# Altium PCB PCB_15122020_01CA.PcbDoc (part 1 of 5) (continued)
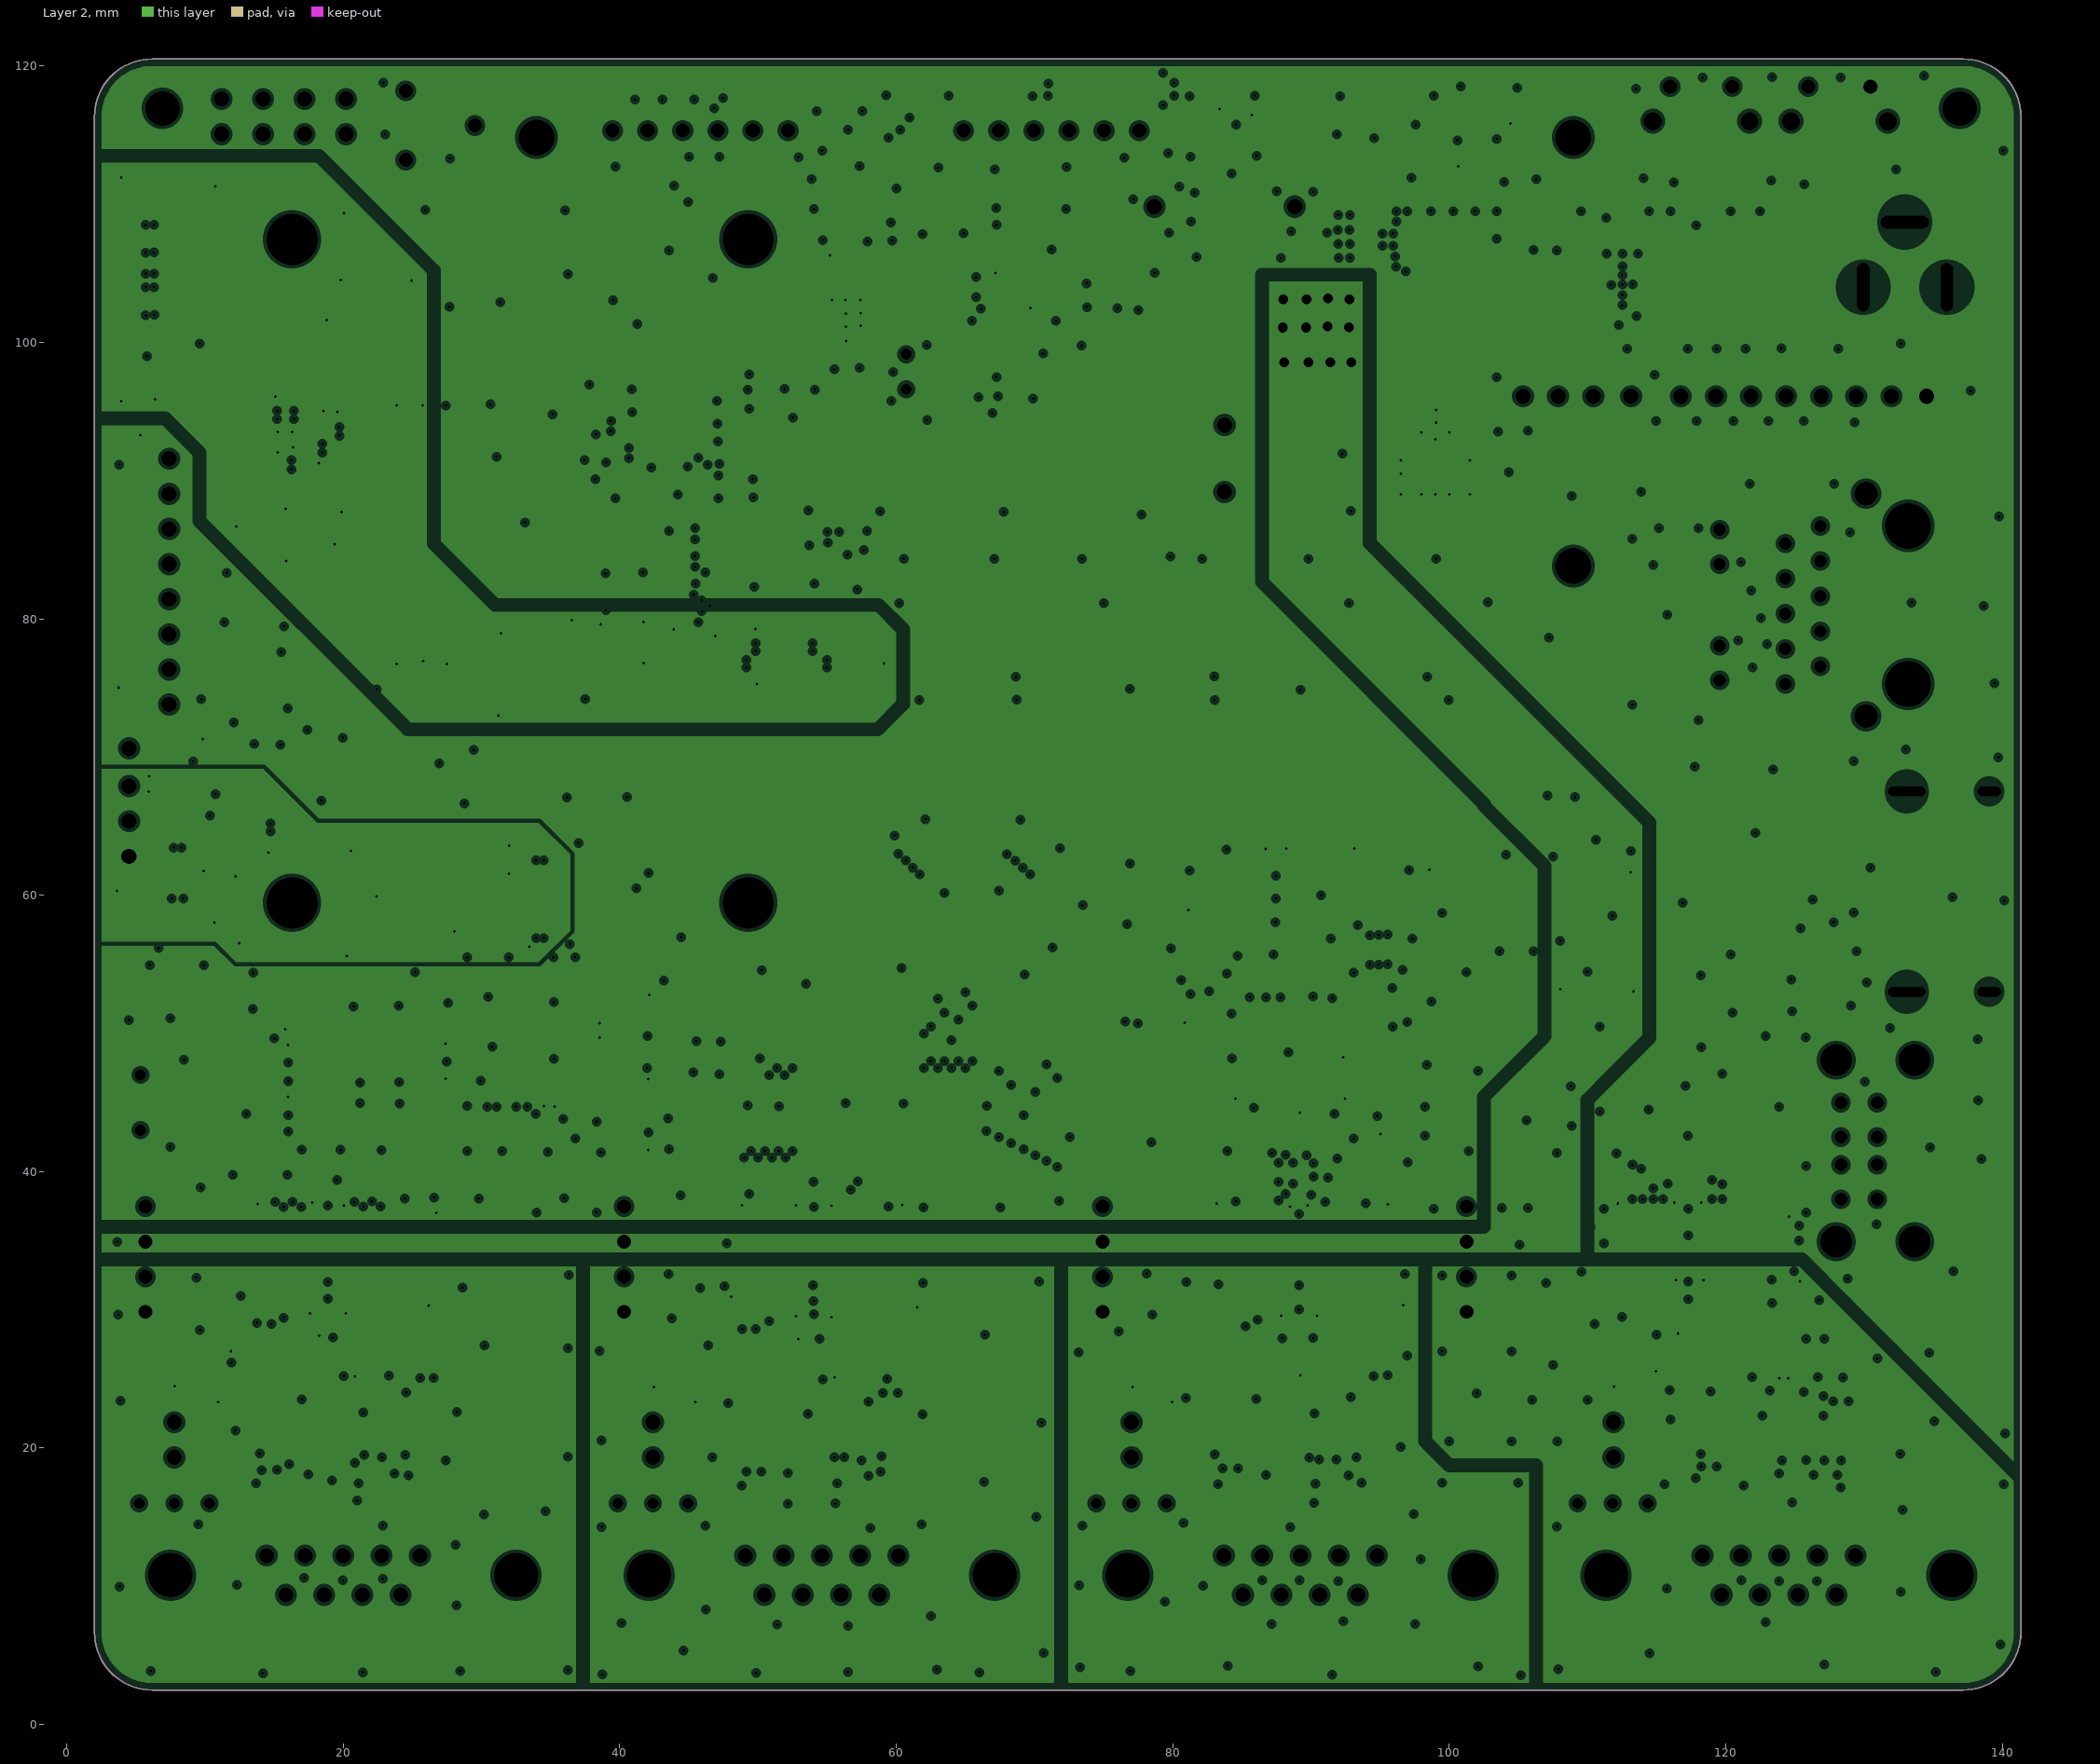
[diagram p3: Layer 2, clearances drawn from the general rule]

## Layer stack, top to bottom
Top Solder: solder mask 0.0203, Solder Resist, Dk 3.8
Top Layer: signal copper 0.035
Dielectric1: prepreg 0.2, PP-006, Dk 4.6
Layer 1: plane copper 0.0175, net (Multiple Nets)
Dielectric 1: core 1.065, Core-009, Dk 4.5
Layer 2: plane copper 0.0175, net (Multiple Nets)
Dielectric2: prepreg 0.2, PP-006, Dk 4.6
Bottom Layer: signal copper 0.035
Bottom Solder: solder mask 0.0203, Solder Resist, Dk 3.8

## Board outline
2,6.672 2,116.331 cw(c6.17,116.331) 6.17,120.501 6.17,120.5 71.135,120.5 137.184,120.5 137.184,120.502 cw(c137.184,116.33) 141.356,116.33 141.356,6.672 cw(c137.184,6.672) 137.184,2.5 71.135,2.5 6.172,2.5 cw(c6.172,6.672)

## Design rules (kind name [scope] priority, off if disabled: settings)
AcuteAngle [All] p1: minimum=4.40000000000000E+0001 checktracksonly=TRUE
BoardOutlineClearance [All] p1: gap=0.2 ignorepadtopadclearanceinfootprint=FALSE
Clearance [All] p1: gap=0.102 ignorepadtopadclearanceinfootprint=FALSE except(0.2: Arc-Poly Track-Poly SMDPad-Poly SMDPad-Hole THPad-Poly THPad-Hole Via-Poly Fill-Poly Poly-Hole; 1: Poly-Poly)
DiffPairsRouting 120R [InDifferentialPairClass('120R')] p1: maxlimit=0.203 minlimit=0.203 mostfreqgap=0.203 toplayer_minwidth=0.126 toplayer_maxwidth=0.126 toplayer_prefwidth=0.126 bottomlayer_minwidth=0.126 bottomlayer_maxwidth=0.126 bottomlayer_prefwidth=0.126 maxuncoupledlength=12.7
DiffPairsRouting 90R [InDifferentialPairClass('90R')] p2: maxlimit=0.127 minlimit=0.127 mostfreqgap=0.127 toplayer_minwidth=0.206 toplayer_maxwidth=0.206 toplayer_prefwidth=0.206 bottomlayer_minwidth=0.206 bottomlayer_maxwidth=0.206 bottomlayer_prefwidth=0.206 maxuncoupledlength=12.7
DiffPairsRouting 100R [InDifferentialPairClass('100R')] p3: maxlimit=0.178 minlimit=0.178 mostfreqgap=0.178 toplayer_minwidth=0.192 toplayer_maxwidth=0.192 toplayer_prefwidth=0.192 bottomlayer_minwidth=0.192 bottomlayer_maxwidth=0.192 bottomlayer_prefwidth=0.192 maxuncoupledlength=12.7
FabricationTestPointUsage TestPointUsage [All] p1: valid=0 allowmultiple=FALSE
FabricationTestpoint Testpoint [All] p1: side=3 testpointundercomponent=TRUE minsize=1.016 maxsize=2.54 preferedsize=1.524 minholesize=0 maxholesize=1.016 preferedholesize=0.813 testpointgrid=0.025 allowsidetop=TRUE allowsidebottom=TRUE usegrid=TRUE gridtolerance=0
HoleSize Pad [All] p1: absolutevalues=TRUE maxlimit=6.3 minlimit=0.2 maxpercent=80.000 minpercent=20.000
HoleSize Via [IsVia] p2: absolutevalues=TRUE maxlimit=6.3 minlimit=0.2 maxpercent=80.000 minpercent=20.000
HoleToHoleClearance [All] p1: gap=0.5 allowstackedmicrovias=TRUE
MatchedLengths DISP [InNetClass('DSI_1')] p1: tolerance=0.15 checknetsindiffpair=TRUE checkdiffpairvsdiffpair=FALSE checkxsignals=FALSE checkothers=FALSE
MatchedLengths CAM [InNetClass('CAM_1')] p2: tolerance=0.15 checknetsindiffpair=FALSE checkdiffpairvsdiffpair=TRUE checkxsignals=TRUE checkothers=TRUE
MatchedLengths USB [InNetClass('USB')] p3: tolerance=0.15 checknetsindiffpair=TRUE checkdiffpairvsdiffpair=FALSE checkxsignals=FALSE checkothers=FALSE
MatchedLengths HDMI_0 [InNetClass('HDMI_0')] p4: tolerance=0.15 checknetsindiffpair=TRUE checkdiffpairvsdiffpair=FALSE checkxsignals=FALSE checkothers=FALSE
MatchedLengths SD_Card [InNetClass('SD_CARD')] p5: tolerance=0.15 checknetsindiffpair=FALSE checkdiffpairvsdiffpair=TRUE checkxsignals=TRUE checkothers=TRUE
MatchedLengths Ethernet [InNetClass('ETHERNET')] p6: tolerance=0.15 checknetsindiffpair=TRUE checkdiffpairvsdiffpair=FALSE checkxsignals=FALSE checkothers=FALSE
MinimumAnnularRing [All] p1: minimumring=0.13
MinimumSolderMaskSliver [All] p1: minsoldermaskwidth=0
PlaneClearance [All] p1: clearance=0.254
PlaneConnect [All] p1: planeconnectstyle=Direct reliefexpansion=0.508 reliefentries=4 reliefconductorwidth=0.254 reliefairgap=0.254
PolygonConnect [All] p1: connectstyle=Direct reliefconductorwidth=0.254 reliefentries=4 polygonreliefangle="90 Angle" airgapwidth=0.254
RoomDefinition USB_TO_RS232 [InComponentClass('USB_TO_RS232')] p1: confinementstyle=ConfineIn formatcopy=TRUE lockcomponents=FALSE outline -249.189,-248.632 -198.389,-248.632 -198.389,-223.232 -249.189,-223.232
RoomDefinition USB_HUB [InComponentClass('USB_HUB')] p2: confinementstyle=ConfineIn formatcopy=TRUE lockcomponents=FALSE outline -249.189,-248.632 -198.389,-248.632 -198.389,-223.232 -249.189,-223.232
RoomDefinition RS232_4 [InComponentClass('RS232_4')] p3: confinementstyle=ConfineIn formatcopy=TRUE lockcomponents=FALSE outline -249.189,-248.632 -198.389,-248.632 -198.389,-223.232 -249.189,-223.232
RoomDefinition RS232_3 [InComponentClass('RS232_3')] p4: confinementstyle=ConfineIn formatcopy=TRUE lockcomponents=FALSE outline -249.189,-248.632 -198.389,-248.632 -198.389,-223.232 -249.189,-223.232
RoomDefinition RS232_2 [InComponentClass('RS232_2')] p5: confinementstyle=ConfineIn formatcopy=TRUE lockcomponents=FALSE outline -249.189,-248.632 -198.389,-248.632 -198.389,-223.232 -249.189,-223.232
RoomDefinition RS232_1 [InComponentClass('RS232_1')] p6: confinementstyle=ConfineIn formatcopy=TRUE lockcomponents=FALSE outline -249.189,-248.632 -198.389,-248.632 -198.389,-223.232 -249.189,-223.232
RoomDefinition POWER [InComponentClass('POWER')] p7: confinementstyle=ConfineIn formatcopy=TRUE lockcomponents=FALSE outline -249.189,-248.632 -198.389,-248.632 -198.389,-223.232 -249.189,-223.232
RoomDefinition Main [InComponentClass('Main')] p8: confinementstyle=ConfineIn formatcopy=TRUE lockcomponents=FALSE outline -249.189,-248.632 -198.389,-248.632 -198.389,-223.232 -249.189,-223.232
RoomDefinition LCD [InComponentClass('LCD')] p9: confinementstyle=ConfineIn formatcopy=TRUE lockcomponents=FALSE outline -249.189,-248.632 -198.389,-248.632 -198.389,-223.232 -249.189,-223.232
RoomDefinition CM4_CONNECTOR [InComponentClass('CM4_CONNECTOR')] p10: confinementstyle=ConfineIn formatcopy=TRUE lockcomponents=FALSE outline -249.189,-248.632 -198.389,-248.632 -198.389,-223.232 -249.189,-223.232
RoutingVias [All] p1: holewidth=0.2 width=0.45 viastyle="Through Hole" minholewidth=0.2 minwidth=0.45 maxholewidth=1 maxwidth=1.27
SilkToSolderMaskClearance SilkscreenOverComponentPads [IsPad] p1: minsilkscreentomaskgap=0.254 clearancetoexposedcopper=TRUE
SolderMaskExpansion SolderMaskExpansion_1 [All] p1: expansion=0.051
SolderMaskExpansion [All] p2: expansion=0
UnRoutedNet [All] p1: checkbadconnections=TRUE
Width Antenna [InNetClass('50R')] p1: maxlimit=0.293 minlimit=0.293 preferedwidth=0.293 minimp=50.000000 maximp=50.000000 favimp=50.000000
Width 50R [InNetClass('SD_CARD')] p2: maxlimit=0.293 minlimit=0.127 preferedwidth=0.293 minimp=50.000000 maximp=50.000000 favimp=50.000000
Width [All] p3: maxlimit=0.5 minlimit=0.127 preferedwidth=0.254 minimp=50.000000 maximp=50.000000 favimp=50.000000
20 further rules are at their usual default settings.

## Classes and differential pairs
net class HDMI_0: HDMI0_CLK_N HDMI0_CLK_P HDMI0_TX0_N HDMI0_TX0_P HDMI0_TX1_N HDMI0_TX1_P HDMI0_TX2_N HDMI0_TX2_P
component class LCD: C6 C7 C24 DP1 IC2 IC7 IC9 J1 J2 Mech5 Mech6 Mech7 Mech8 Mech9 Mech11 Mech12 Mech13 Mech15 Mech16 Mech17 PAD1 PAD2 PAD3 R1 R6 R18 R19 R20 RV1 TR2
net class DSI_1: DSI1_C_N DSI1_C_P DSI1_D0_N DSI1_D0_P DSI1_D1_N DSI1_D1_P DSI1_D2_N DSI1_D2_P DSI1_D3_N DSI1_D3_P
net class USB: USB_1_N USB_1_P USB_BOOT_N USB_BOOT_P USB_HUB__N USB_HUB__P USB_HUB_N USB_HUB_P USB_IN__N USB_IN__P USB_IN_N USB_IN_P USB_N USB_P USB_PORT2_N USB_PORT2_P USB_PORT3_N USB_PORT3_P USB_PORT4_N USB_PORT4_P
net class ETHERNET: Ethernet_Pair0_N Ethernet_Pair0_P Ethernet_Pair1_N Ethernet_Pair1_P Ethernet_Pair2_N Ethernet_Pair2_P Ethernet_Pair3_N Ethernet_Pair3_P
differential pair class 100R: CAM0_C CAM0_D0 CAM0_D1 CAM1_C CAM1_D0 CAM1_D1 CAM1_D2 CAM1_D3 DSI0_C DSI0_D0 DSI0_D1 DSI1_C DSI1_D0 DSI1_D1 DSI1_D2 DSI1_D3 Ethernet_Pair0 Ethernet_Pair1 Ethernet_Pair2 Ethernet_Pair3 HDMI0_CLK HDMI0_TX0 HDMI0_TX1 HDMI0_TX2 HDMI1_CLK HDMI1_TX0 HDMI1_TX1 HDMI1_TX2
differential pair class 90R: USB USB_1 USB_1_ USB_2 USB_2_ USB_BOOT USB_EX USB_HUB USB_HUB_ USB_IN USB_IN_ USB_PORT1 USB_PORT1_ USB_PORT2 USB_PORT2_ USB_PORT2_OUT USB_PORT3 USB_PORT3_ USB_PORT4
channel class RS232: RS232_1 RS232_2 RS232_3 RS232_4 RS232_5 RS232_6 RS232_7 RS232_8
component class USB_TO_RS232: C89 C90 C91 C92 C93 C94 C95 C96 C97 C98 C99 C100 C101 C102 C103 CM3 CON1 CON6 CON7 CON8 FR17 FR18 IC25 IC26 R109 R110 R111 R112 R113 R114 R115 XTAL3
component class USB_HUB: C30 C31 C32 C33 C34 C35 C36 C37 C40 C41 C42 C44 C50 C51 C52 C53 C54 C56 C57 C58 C59 C60 C61 C62 C63 C74 CM1 CM2 CM4 CON10 CON11 FR1 FR2 FR3 IC1 IC10 IC11 IC15 J5 R2 R3 R4 R5 R40 R41 R42 R43 R51 R52 R58 R59 R60 R61 R63 R64 R65 R66 R67 R70 R71 R72 R73 R74 R75 R76 R77 R91 R104 R108 TVS6 TVS7 TVS8 XTAL2
component class RS232_4: C38D C39D C45D C46D C47D C48D C49D C55D C119D C120D C121D IC14D IC29D IC30D IC31D IC32D IC33D J12D LED3_RS232_4 R24D R25D R32D R33D R34D R35D R36D R37D R55D R56D R57D R62D TVS1D TVS2D TVS3D TVS4D
component class RS232_3: C38C C39C C45C C46C C47C C48C C49C C55C C119C C120C C121C IC14C IC29C IC30C IC31C IC32C IC33C J12C LED3_RS232_3 R24C R25C R32C R33C R34C R35C R36C R37C R55C R56C R57C R62C TVS1C TVS2C TVS3C TVS4C
component class RS232_2: C38B C39B C45B C46B C47B C48B C49B C55B C119B C120B C121B IC14B IC29B IC30B IC31B IC32B IC33B J12B LED3_RS232_2 R24B R25B R32B R33B R34B R35B R36B R37B R55B R56B R57B R62B TVS1B TVS2B TVS3B TVS4B
component class RS232_1: C38A C39A C45A C46A C47A C48A C49A C55A C119A C120A C121A IC14A IC29A IC30A IC31A IC32A IC33A J12A LED3_RS232_1 R24A R25A R32A R33A R34A R35A R36A R37A R55A R56A R57A R62A TVS1A TVS2A TVS3A TVS4A
component class POWER: C8 C9 C10 C11 C12 C13 C14 C15 C16 C17 C18 C19 C20 C21 C22 C23 C26 C27 C28 CON2 D2 IC8 L1 R23 R26 R27 R28 R29 R30 R31 R49 R50 R53 R54 TR1
component class Main: F1 F2 F3 F4 F5 H2 H4 IC6 LOGO1 LOGO2 Mech1 Mech2 Mech3 Mech4
component class CM4_CONNECTOR: BAT1 C1 C2 C3 C4 C5 C25 C29 C43 CON3 CON4 CON5 CON9 D1 IC3 IC4 IC5 IC12 IC13 J3 J4 J6 J15 J16 J17 J18 J19 LED1 LED2 R7 R8 R9 R10 R11 R12 R13 R14 R15 R16 R17 R21 R22 R38 R39 R44 R45 R46 R47 R48 R78 SW1 SW2 TP3 TP4 TP5 TR3 TVS5 TVS12 VR1 XTAL1
differential pair USB_HUB_: +USB_HUB__P -USB_HUB__N
differential pair USB_PORT4: +USB_PORT4_P -USB_PORT4_N
differential pair USB_PORT3: +USB_PORT3_P -USB_PORT3_N
differential pair USB_PORT3_: +USB_PORT3__P -USB_PORT3__N
differential pair USB_IN: +USB_IN_P -USB_IN_N
differential pair USB_IN_: +USB_IN__P -USB_IN__N
differential pair USB_PORT2: +USB_PORT2_P -USB_PORT2_N
differential pair USB_PORT2_: +USB_PORT2__P -USB_PORT2__N
differential pair USB_1_: +USB_1__P -USB_1__N
differential pair USB_BOOT: +USB_BOOT_P -USB_BOOT_N
differential pair HDMI0_TX2: +HDMI0_TX2_P -HDMI0_TX2_N
differential pair HDMI0_TX1: +HDMI0_TX1_P -HDMI0_TX1_N
differential pair HDMI0_TX0: +HDMI0_TX0_P -HDMI0_TX0_N
differential pair HDMI0_CLK: +HDMI0_CLK_P -HDMI0_CLK_N
differential pair Ethernet_Pair3: +Ethernet_Pair3_P -Ethernet_Pair3_N
differential pair Ethernet_Pair2: +Ethernet_Pair2_P -Ethernet_Pair2_N
differential pair Ethernet_Pair1: +Ethernet_Pair1_P -Ethernet_Pair1_N
differential pair Ethernet_Pair0: +Ethernet_Pair0_P -Ethernet_Pair0_N
differential pair DSI1_D3: +DSI1_D3_P -DSI1_D3_N
differential pair DSI1_D2: +DSI1_D2_P -DSI1_D2_N
differential pair DSI1_D1: +DSI1_D1_P -DSI1_D1_N
differential pair DSI1_D0: +DSI1_D0_P -DSI1_D0_N
differential pair DSI1_C: +DSI1_C_P -DSI1_C_N
differential pair USB: +USB_P -USB_N
differential pair USB_HUB: +USB_HUB_P -USB_HUB_N
differential pair USB_1: +USB_1_P -USB_1_N

## Components (designator, comment, footprint, x,y, rotation, side; value= is the part's Value field where it differs from the comment)
BAT1 "CR2032H" CR2032H 83.75,99.025 r0 top
C1 "100nF" C0603 66.6,100.3 r90 top
C2 "100nF" C0603 120.451,54.1 r270 top
C3 "100nF" C0603 128.951,54.1 r270 top
C4 "12pF" C0603 58.075,99.15 r180 top
C5 "12pF" C0603 58.075,96.6 r180 top
C6 "100nF" C0603 67.175,106.575 r90 top
C7 "100nF" C0603 63.775,107.025 r0 top
C8 "100nF" C0805 123.55,107.7 r90 top
C9 "100nF" C0603 125.35,100.6 r270 top
C10 "100nF" C0603 114.899,100.4 r180 top
C11 "33pF" C0603 110.515,108.25 r270 top
C12 "10uF" C0603 104.206,108.25 r90 top
C13 "10uF" C0603 102.629,108.25 r90 top
C14 "10uF" C0603 101.052,108.25 r90 top
C15 "10uF" C0603 99.474,108.25 r90 top
C16 "100uF" CT3528 98.875,102.95 r90 top
C17 "10uF" C0805 119.333,107.701 r270 top
C18 "100nF" C0603 97.897,108.25 r90 top
C19 "10uF" C0805 117.224,101.55 r90 top
C20 "10uF" C0805 119.333,101.55 r90 top
C21 "10uF" C0805 121.441,107.701 r270 top
C22 "10uF" C0805 123.55,101.55 r90 top
C23 "10uF" C0805 121.441,101.55 r90 top
C24 "100nF" C0603 63.775,111.425 r0 top
C25 "100nF" C0603 93.5,93.45 r270 top
C26 "100nF" C0603 115.247,108.25 r90 top
C27 "33pF" C0603 108.938,108.25 r90 top
C28 "1.2nF" C0603 105.783,108.25 r270 top
C29 "100nF" C0603 102.7,90.2 r180 top
C30 "1uF" C0603 40.437,44.087 r0 top
C31 "100nF" C0603 40.437,47.837 r0 top
C32 "100nF" C0603 19.771,43.5 r270 top
C33 "100nF" C0603 17.746,42.9 r180 top
C34 "10uF" C0603 17.746,44.15 r180 top
C35 "100nF" C0603 40.421,50.296 r0 top
C36 "10uF" C0603 40.421,51.546 r0 top
C37 "18pF" C0603 43.146,50.575 r270 top
C38A "10uF" C0603 11.3,38.225 r90 top (schematic designator C38)
C38B "10uF" C0603 45.875,38.25 r90 top (schematic designator C38)
C38C "10uF" C0603 80.575,38.4 r90 top (schematic designator C38)
C38D "10uF" C0603 107,36.399 r90 top (schematic designator C38)
C39A "10uF" C0603 11.225,29.05 r270 top (schematic designator C39)
C39B "10uF" C0603 46,29.125 r90 top (schematic designator C39)
C39C "10uF" C0603 80.575,29.3 r90 top (schematic designator C39)
C39D "10uF" C0603 107.157,29.982 r270 top (schematic designator C39)
C40 "100nF" C0603 23.896,53.65 r270 top
C41 "100nF" C0603 22.596,53.648 r270 top
C42 "100nF" C0603 21.271,53.644 r270 top
C43 "100nF" C0603 126.1,72.025 r180 top
C44 "10uF" C0603 19.821,53.644 r270 top
C45A "100nF" C0603 12.786,26.289 r270 top (schematic designator C45)
C45B "100nF" C0603 47.479,26.314 r270 top (schematic designator C45)
C45C "100nF" C0603 81.724,26.3 r270 top (schematic designator C45)
C45D "100nF" C0603 116.538,26.292 r270 top (schematic designator C45)
C46A "100nF" C0603 15.386,26.289 r270 top (schematic designator C46)
C46B "100nF" C0603 50.079,26.314 r270 top (schematic designator C46)
C46C "100nF" C0603 84.324,26.3 r270 top (schematic designator C46)
C46D "100nF" C0603 119.072,26.292 r270 top (schematic designator C46)
C47A "100nF" C0603 14.086,26.289 r270 top (schematic designator C47)
C47B "100nF" C0603 48.779,26.314 r270 top (schematic designator C47)
C47C "100nF" C0603 83.024,26.3 r270 top (schematic designator C47)
C47D "100nF" C0603 117.772,26.292 r270 top (schematic designator C47)
C48A "100nF" C0603 15.336,21.364 r90 top (schematic designator C48)
C48B "100nF" C0603 49.979,21.389 r90 top (schematic designator C48)
C48C "100nF" C0603 84.324,21.301 r90 top (schematic designator C48)
C48D "100nF" C0603 119.047,21.267 r90 top (schematic designator C48)
C49A "100nF" C0603 14.086,21.364 r270 top (schematic designator C49)
C49B "100nF" C0603 48.729,21.389 r270 top (schematic designator C49)
C49C "100nF" C0603 83.024,21.301 r270 top (schematic designator C49)
C49D "100nF" C0603 117.772,21.267 r270 top (schematic designator C49)
C50 "10uF" C0603 15.046,54.3 r180 top
C51 "100nF" C0603 15.046,53.05 r180 top
C52 "100nF" C0603 15.046,51.8 r180 top
C53 "18pF" C0603 43.096,45.6 r90 top
C54 "4.7uF" C0603 107.169,52.04 r180 top
C55A "100nF" C0603 12.754,38.225 r270 top (schematic designator C55)
C55B "100nF" C0603 47.2,38.225 r270 top (schematic designator C55)
C55C "100nF" C0603 81.975,38.45 r270 top (schematic designator C55)
C55D "100nF" C0603 108.494,36.414 r270 top (schematic designator C55)
C56 "100nF" C0603 107.169,50.54 r180 top
C57 "100nF" C0603 107.175,45.171 r180 top
C58 "10uF" C0603 107.175,43.671 r180 top
C59 "4.7uF" C0603 112.573,51.944 r180 top
C60 "100nF" C0603 112.573,50.444 r180 top
C61 "100nF" C0603 112.573,45.075 r180 top
C62 "10uF" C0603 112.573,43.575 r180 top
C63 "1uF" C0603 4.814,52.725 r270 top
C74 "100nF" C0603 7.5,68.3 r180 top
C89 "10uF" C0603 88.957,58.921 r180 top
C90 "100nF" C0603 88.957,60.621 r180 top
C91 "18pF" C0603 98.559,54.325 r90 top
C92 "10uF" C0603 85.957,58.921 r180 top
C93 "100nF" C0603 85.957,60.621 r180 top
C94 "18pF" C0603 98.559,57.375 r270 top
C95 "100nF" C0603 96.657,48.271 r0 top
C96 "100nF" C0603 79,50.771 r180 top
C97 "100nF" C0603 96.657,42.721 r0 top
C98 "100nF" C0603 96.657,45.321 r0 top
C99 "100nF" C0603 96.657,52.271 r0 top
C100 "100nF" C0603 85.957,57.221 r0 top
C101 "100nF" C0603 85.675,40.55 r180 top
C102 "100nF" C0603 96.657,44.021 r0 top
C103 "100nF" C0603 98.559,60.025 r90 top
C119A "100nF" C0603 12.675,29.025 r270 top (schematic designator C119)
C119B "100nF" C0603 47.45,29.125 r90 top (schematic designator C119)
C119C "100nF" C0603 82,29.3 r90 top (schematic designator C119)
C119D "100nF" C0603 110.675,31.725 r90 top (schematic designator C119)
C120A "100nF" C0603 25.2,35.825 r90 top (schematic designator C120)
C120B "100nF" C0603 60.425,35.775 r90 top (schematic designator C120)
C120C "100nF" C0603 95.575,35.825 r90 top (schematic designator C120)
C120D "100nF" C0603 123.529,36 r90 top (schematic designator C120)
C121A "100nF" C0603 25.225,31.067 r90 top (schematic designator C121)
C121B "100nF" C0603 60.375,30.95 r90 top (schematic designator C121)
C121C "100nF" C0603 95.675,31.05 r90 top (schematic designator C121)
C121D "100nF" C0603 124.425,31.2 r270 top (schematic designator C121)
CM1 "744232090" WE-CNSW_1206 119.765,47.074 r0 top
CM2 "744232090" WE-CNSW_1206 9.75,51.875 r90 top
CM3 "744232090" WE-CNSW_1206 76.075,55.05 r180 top
CM4 "744232090" WE-CNSW_1206 119.724,42.564 r0 top
CON1 "L-KLS1-215-09-M-B" 618009231221 20,7.5 r0 top
CON2 "L-KLS1-DC-005A-2.0" L-KLS1-DC-005A-2.0 143.7,104 r180 top locked
CON3 "DF40C-100DS-0.4V(51)" HRS_DF40C-100DS-0.4V(51) 49.797,85.952 r90 top locked
CON4 "DF40C-100DS-0.4V(51)" HRS_DF40C-100DS-0.4V(51) 15.797,85.952 r90 top locked
CON5 "L-KLS12-TL191-1X1-GY/G-0" L-KLS12-TL191-1X1-GY/G-0 133.2,81 r90 top locked
CON6 "L-KLS1-215-09-M-B" 618009231221 54.619,7.5 r0 top
CON7 "L-KLS1-215-09-M-B" 618009231221 89.237,7.5 r0 top
CON8 "L-KLS1-215-09-M-B" 618009231221 123.856,7.5 r0 top
CON9 "208658-1101" 2086581101 132.34,60.262 r90 top locked
CON10 "61400826021" 61400826021 135.45,41.5 r90 top locked
CON11 "USB2.0 MICRO B SMD" "USB CON B FEMALE" 4.625,45 r270 top
D1 "BAT54C-7-F" SOT23 71.6,101.45 r180 top
D2 "MMBZ5242BLT3G" SOT23 126.224,103.549 r90 top
DP1 "WHZ1602W2-TMI-CW#" WHZ1602W2-TMI-CW# 71.928,99 r0 top locked
F1 "2mm Fiducial" "2mm Fiducial"#1 81.53,41.384 r0 top
F2 "2mm Fiducial" "2mm Fiducial"#2 29.125,29.892 r0 top
F3 "2mm Fiducial" "2mm Fiducial"#3 46.39,76.1 r90 top
F4 "2mm Fiducial" "2mm Fiducial"#4 31.487,37.682 r0 top
F5 "2mm Fiducial" "2mm Fiducial"#5 11.4,88.15 r0 top
FR1 "300R 100Mhz" "WE-CBF_0603_High Current" 17.721,54.4 r180 top
FR2 "300R 100Mhz" "WE-CBF_0603_High Current" 124.986,38.02 r0 top
FR3 "300R 100Mhz" "WE-CBF_0603_High Current" 124.986,39.6 r0 top
FR17 "100R 100MHz" FR_0603 88.957,62.321 r0 top
FR18 "100R 100MHz" FR_0603 85.957,62.321 r180 top
H2 "2.5mm" "2.5mm hole" 136.928,116.928 r0 top
H4 "2.5mm" "2.5mm hole" 6.928,116.928 r0 top
IC1 "USB2504-JT" TQFP64 31.221,48.494 r270 top locked
IC2 "PCF8574DGVR" DGV20 58.325,110.775 r180 top
IC3 "74LVC1G07SE-7" SOT353 64.05,100.3 r180 top
IC4 "AP22653W6-7" SOT23-6 124.825,53.9 r270 top
IC5 "PCF85063ATT/AJ" SOT505-1 66.15,97.15 r0 top
IC6 "Raspbery pi CM4" CM4_BOARD_SIDE 32.797,83.452 r270 top locked
IC7 "LM75AIMX/NOPB" SO08 71.6,107.75 r180 top
IC8 "AP64501SP-13" SO-8EP 112.524,104.19 r180 top
IC9 "PCA9306DCUR" SOP50P310X90-8N 58.475,105.825 r0 top
IC10 "FSUSB20MUX" MSOP-10N 10.85,66.625 r90 top
IC11 "AP22653W6-7" SOT23-6 106.975,47.89 r180 top
IC12 "74LVC1G07SE-7" SOT353 102.527,116.793 r270 top
IC13 "74LVC1G07SE-7" SOT353 82.455,115.195 r0 top
IC14A "TRS3243IPWR" TSSOP-28 21.166,23.789 r90 top (schematic designator IC14)
IC14B "TRS3243IPWR" TSSOP-28 55.859,23.814 r90 top (schematic designator IC14)
IC14C "TRS3243IPWR" TSSOP-28 90.204,23.775 r90 top (schematic designator IC14)
IC14D "TRS3243IPWR" TSSOP-28 124.852,23.692 r90 top (schematic designator IC14)
IC15 "AP22653W6-7" SOT23-6 112.373,47.794 r180 top
IC25 "FT4232HL" QFP50P1200X1200X160-64N 88.437,48.521 r270 top
IC26 "93LC46BT-I/OT" "SOT 23-6" 94.516,59.821 r270 top
IC29A "SN74LVC1G04DBVR" SOT-23-5 10,25.6 r180 top (schematic designator IC29)
IC29B "SN74LVC1G04DBVR" SOT-23-5 44.5,25.6 r180 top (schematic designator IC29)
IC29C "SN74LVC1G04DBVR" SOT-23-5 79,25.6 r180 top (schematic designator IC29)
IC29D "SN74LVC1G04DBVR" SOT-23-5 114,25.6 r180 top (schematic designator IC29)
IC30A "SN74LVC1G04DBVR" SOT-23-5 5.999,25.6 r180 top (schematic designator IC30)